# Altium PCB 测试样板PCB.PcbDoc (part 4 of 5)
Units mil, origin at the board's own origin, x right, y up, seen from the top; angles counter-clockwise.
Board outline 3248.03 x 2802.03 mil, 2 copper layers (Top Layer, Bottom Layer); 76 components, 64 nets, 349 pads, 97 vias.
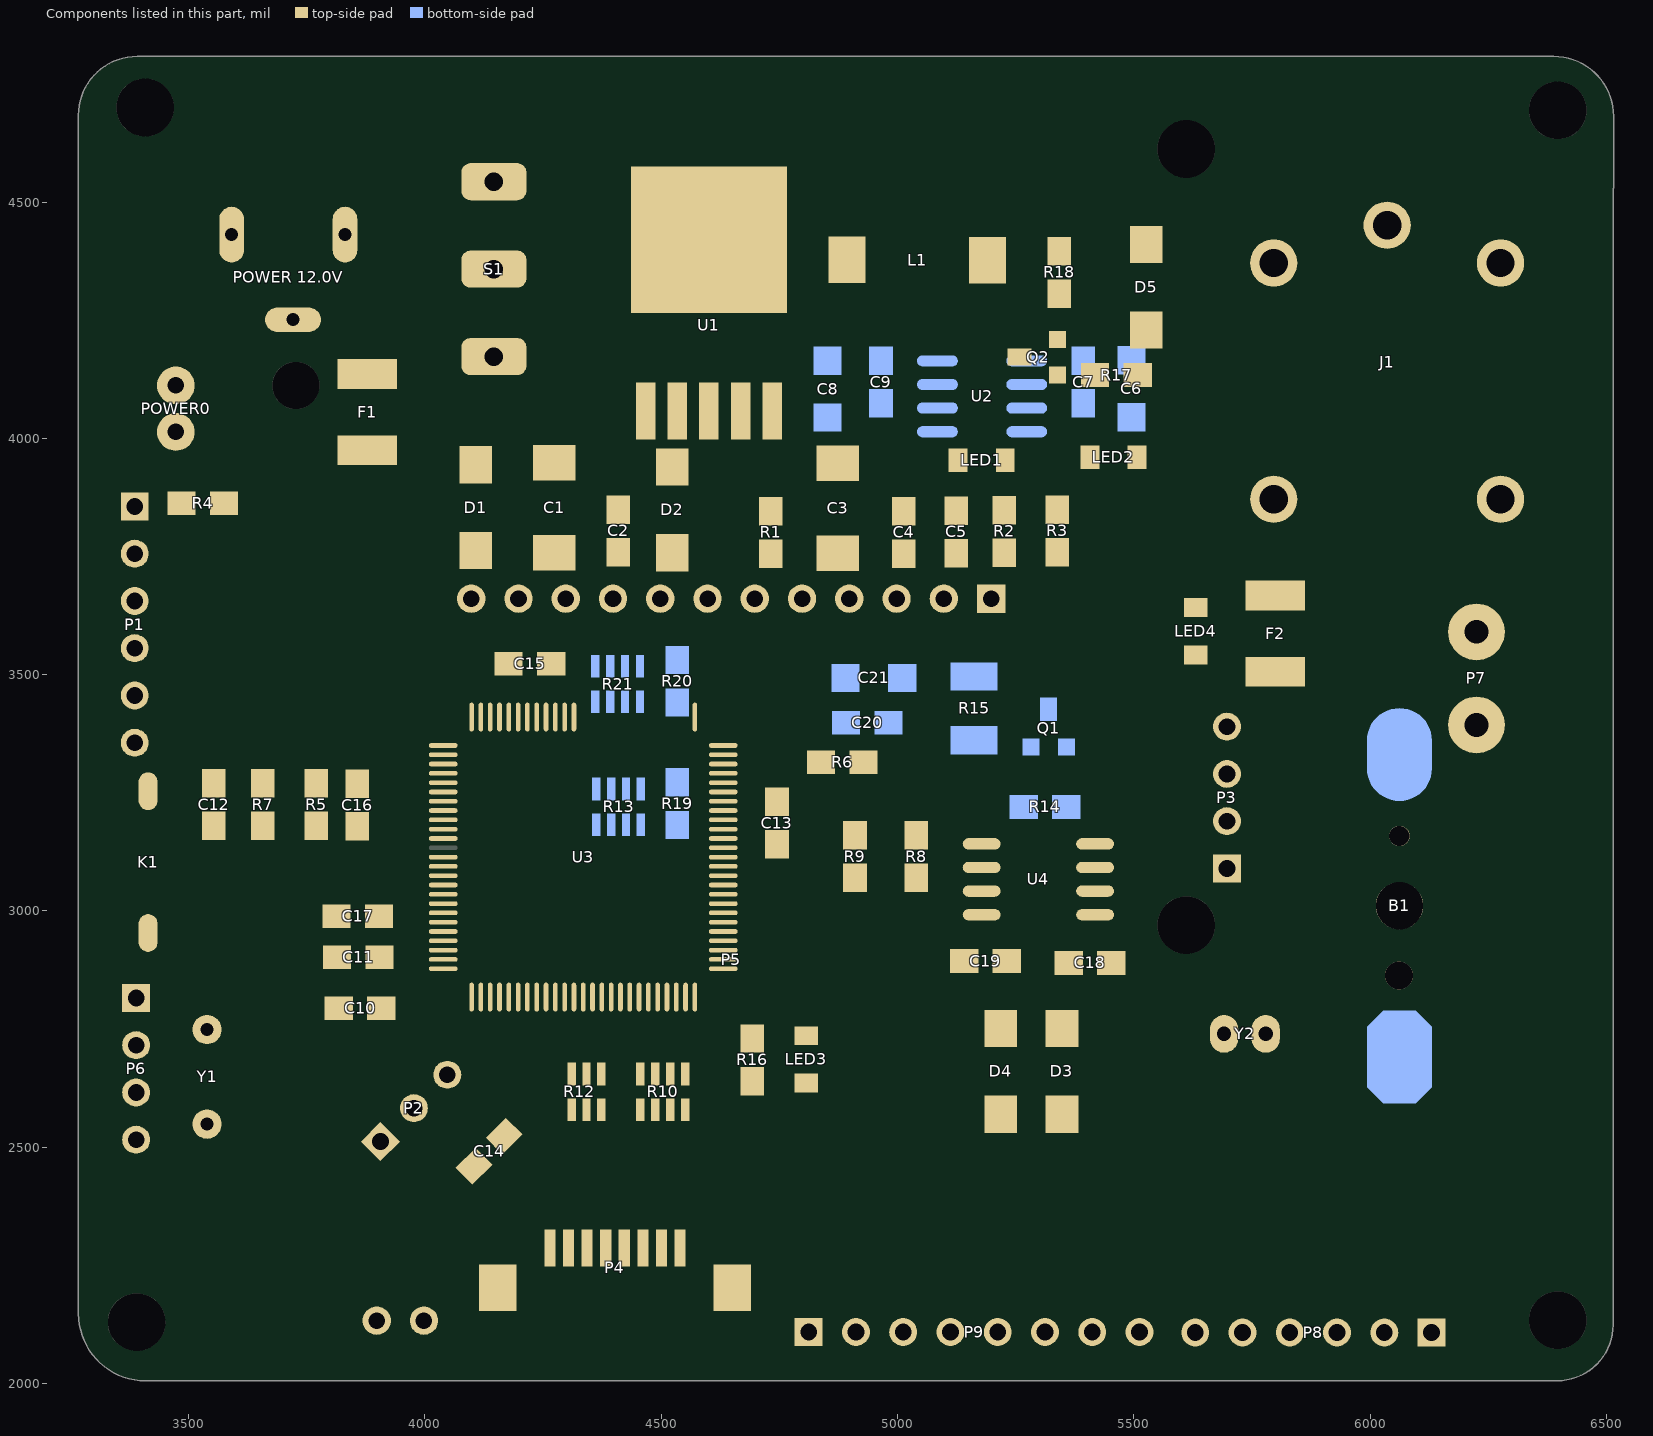
[diagram p4: the components of this part, seen from the top]

## Via types
v1: diameter 25, hole 13, Top Layer to Bottom Layer, 50 vias
v2: diameter 50, hole 28, Top Layer to Bottom Layer, 46 vias
v3: diameter 25, hole 3, Top Layer to Bottom Layer, 1 vias

## Nets (pads, with @x,y where several pads share a name; then routed paths per layer and width w, separated by ;. In a path a pad name is that pad's centre, name@x,y a point inside that pad or via, vN(x,y) a via of type N, cw(c..) or ccw(c..) an arc to the next point about the centre after c; other vN are vias at no path point) (continued)
copper on no net: (continued)
  Top Layer w0.8: 6159.4,2706.6 6199.4,2706.6 ; 6160.2,2381.8 6186.6,2381.8 ; 6160.2,2382.6 6164.2,2382.6 ; 6160.2,2417 6164.2,2417 ; 6160.2,2417.8 6165,2417.8 ; 6160.2,2655.4 6164.2,2655.4 ; 6160.2,2656.2 6164.2,2656.2 ; 6160.2,2689 6164.2,2689 ; 6161,2383.4 6164.2,2383.4 ; 6161,2384.2 6165,2384.2 ; 6161,2418.6 6165.8,2418.6 ; 6161,2419.4 6165.8,2419.4 ; 6161,2653.8 6165,2653.8 ; 6161,2654.6 6165,2654.6 ; 6161,2687.4 6188.2,2687.4 ; 6161,2688.2 6187.4,2688.2 ; 6161.8,2385 6165.8,2385 ; 6161.8,2653 6165.8,2653 ; 6161.8,2686.6 6189,2686.6 ; 6162.6,2385.8 6165.8,2385.8 ; 6162.6,2386.6 6166.6,2386.6 ; 6162.6,2651.4 6166.6,2651.4 ; 6162.6,2652.2 6165.8,2652.2 ; 6162.6,2685 6189.8,2685 ; 6162.6,2685.8 6189,2685.8 ; 6163.4,2387.4 6167.4,2387.4 ; 6163.4,2388.2 6167.4,2388.2 ; 6163.4,2649.8 6167.4,2649.8 ; 6163.4,2650.6 6167.4,2650.6 ; 6163.4,2683.4 6167.4,2683.4 ; 6163.4,2684.2 6167.4,2684.2 ; 6164.2,2389 6168.2,2389 ; 6164.2,2424.2 6169,2424.2 ; 6164.2,2649 6168.2,2649 ; 6164.2,2682.6 6168.2,2682.6 ; 6165,2389.8 6168.2,2389.8 ; 6165,2390.6 6169,2390.6 ; 6165,2425 6169.8,2425 ; 6165,2425.8 6169.8,2425.8 ; 6165,2647.4 6169,2647.4 ; 6165,2648.2 6169,2648.2 ; 6165,2681 6169,2681 ; 6165,2681.8 6168.2,2681.8 ; 6165.8,2391.4 6169.8,2391.4 ; 6165.8,2426.6 6170.6,2426.6 ; 6165.8,2427.4 6170.6,2427.4 ; 6165.8,2646.6 6169.8,2646.6 ; 6165.8,2679.4 6169.8,2679.4 ; 6165.8,2680.2 6169.8,2680.2 ; 6166.6,2392.2 6169.8,2392.2 ; 6166.6,2393 6170.6,2393 ; 6166.6,2428.2 6171.4,2428.2 ; 6166.6,2645 6170.6,2645 ; 6166.6,2645.8 6169.8,2645.8 ; 6166.6,2678.6 6170.6,2678.6 ; 6167.4,2393.8 6170.6,2393.8 ; 6167.4,2394.6 6171.4,2394.6 ; 6167.4,2429 6172.2,2429 ; 6167.4,2429.8 6172.2,2429.8 ; 6167.4,2644.2 6171.4,2644.2 ; 6167.4,2677 6171.4,2677 ; 6167.4,2677.8 6171.4,2677.8 ; 6168.2,2395.4 6172.2,2395.4 ; 6168.2,2430.6 6173,2430.6 ; 6168.2,2642.6 6172.2,2642.6 ; 6168.2,2643.4 6171.4,2643.4 ; 6168.2,2676.2 6172.2,2676.2 ; 6169,2396.2 6172.2,2396.2 ; 6169,2397 6173,2397 ; 6169,2431.4 6173,2431.4 ; 6169,2432.2 6173.8,2432.2 ; 6169,2641 6173,2641 ; 6169,2641.8 6173,2641.8 ; 6169,2674.6 6173,2674.6 ; 6169,2675.4 6172.2,2675.4 ; 6169.8,2397.8 6173,2397.8 ; 6169.8,2433 6174.6,2433 ; 6169.8,2433.8 6174.6,2433.8 ; 6169.8,2639.4 6173.8,2639.4 ; 6169.8,2640.2 6173.8,2640.2 ; 6169.8,2673 6174.6,2673 ; 6169.8,2673.8 6173.8,2673.8 ; 6170.6,2398.6 6173.8,2398.6 ; 6170.6,2399.4 6174.6,2399.4 ; 6170.6,2434.6 6175.4,2434.6 ; 6170.6,2638.6 6174.6,2638.6 ; 6170.6,2672.2 6174.6,2672.2 ; 6171.4,2400.2 6174.6,2400.2 ; 6171.4,2401 6175.4,2401 ; 6171.4,2435.4 6175.4,2435.4 ; 6171.4,2436.2 6176.2,2436.2 ; 6171.4,2637 6175.4,2637 ; 6171.4,2637.8 6175.4,2637.8 ; 6171.4,2670.6 6175.4,2670.6 ; 6171.4,2671.4 6175.4,2671.4 ; 6172.2,2401.8 6176.2,2401.8 ; 6172.2,2402.6 6176.2,2402.6 ; 6172.2,2403.4 6177,2403.4 ; 6172.2,2437 6177,2437 ; 6172.2,2437.8 6177,2437.8 ; 6172.2,2636.2 6176.2,2636.2 ; 6172.2,2669 6176.2,2669 ; 6172.2,2669.8 6176.2,2669.8 ; 6173,2404.2 6177.8,2404.2 ; 6173,2405 6177.8,2405 ; 6173,2438.6 6177.8,2438.6 ; 6173,2634.6 6177,2634.6 ; 6173,2635.4 6176.2,2635.4 ; 6173,2668.2 6177,2668.2 ; 6173.8,2405.8 6178.6,2405.8 ; 6173.8,2439.4 6177.8,2439.4 ; 6173.8,2440.2 6178.6,2440.2 ; 6173.8,2633 6177.8,2633 ; 6173.8,2633.8 6177.8,2633.8 ; 6173.8,2666.6 6177.8,2666.6 ; 6173.8,2667.4 6177.8,2667.4 ; 6174.6,2406.6 6178.6,2406.6 ; 6174.6,2407.4 6179.4,2407.4 ; 6174.6,2441 6179.4,2441 ; 6174.6,2441.8 6179.4,2441.8 ; 6174.6,2632.2 6178.6,2632.2 ; 6174.6,2665 6178.6,2665 ; 6174.6,2665.8 6178.6,2665.8 ; 6175.4,2408.2 6180.2,2408.2 ; 6175.4,2409 6180.2,2409 ; 6175.4,2442.6 6180.2,2442.6 ; 6175.4,2630.6 6179.4,2630.6 ; 6175.4,2631.4 6178.6,2631.4 ; 6175.4,2664.2 6179.4,2664.2 ; 6176.2,2409.8 6181,2409.8 ; 6176.2,2443.4 6181,2443.4 ; 6176.2,2444.2 6181,2444.2 ; 6176.2,2629 6180.2,2629 ; 6176.2,2629.8 6180.2,2629.8 ; 6176.2,2662.6 6180.2,2662.6 ; 6176.2,2663.4 6180.2,2663.4 ; 6177,2410.6 6181,2410.6 ; 6177,2411.4 6181.8,2411.4 ; 6177,2445 6181.8,2445 ; 6177,2445.8 6181.8,2445.8 ; 6177,2628.2 6181,2628.2 ; 6177,2661.8 6181,2661.8 ; 6177.8,2412.2 6182.6,2412.2 ; 6177.8,2413 6182.6,2413 ; 6177.8,2446.6 6182.6,2446.6 ; 6177.8,2626.6 6181.8,2626.6 ; 6177.8,2627.4 6181.8,2627.4 ; 6177.8,2660.2 6181.8,2660.2 ; 6177.8,2661 6181.8,2661 ; 6178.6,2413.8 6183.4,2413.8 ; 6178.6,2447.4 6183.4,2447.4 ; 6178.6,2448.2 6183.4,2448.2 ; 6178.6,2625.8 6182.6,2625.8 ; 6178.6,2658.6 6183.4,2658.6 ; 6178.6,2659.4 6182.6,2659.4 ; 6179.4,2414.6 6183.4,2414.6 ; 6179.4,2415.4 6184.2,2415.4 ; 6179.4,2449 6184.2,2449 ; 6179.4,2624.2 6183.4,2624.2 ; 6179.4,2625 6182.6,2625 ; 6179.4,2657.8 6183.4,2657.8 ; 6180.2,2416.2 6185,2416.2 ; 6180.2,2417 6185,2417 ; 6180.2,2449.8 6184.2,2449.8 ; 6180.2,2450.6 6185,2450.6 ; 6180.2,2622.6 6184.2,2622.6 ; 6180.2,2623.4 6184.2,2623.4 ; 6180.2,2656.2 6184.2,2656.2 ; 6180.2,2657 6184.2,2657 ; 6181,2417.8 6185.8,2417.8 ; 6181,2451.4 6185.8,2451.4 ; 6181,2452.2 6185.8,2452.2 ; 6181,2621.8 6185,2621.8 ; 6181,2655.4 6185,2655.4 ; 6181.8,2418.6 6185.8,2418.6 ; 6181.8,2419.4 6186.6,2419.4 ; 6181.8,2453 6186.6,2453 ; 6181.8,2620.2 6185.8,2620.2 ; 6181.8,2621 6185,2621 ; 6181.8,2653.8 6185.8,2653.8 ; 6181.8,2654.6 6185,2654.6 ; 6182.6,2379.4 6185,2379.4 ; 6182.6,2382.6 6187.4,2382.6 ; 6182.6,2383.4 6187.4,2383.4 ; 6182.6,2420.2 6187.4,2420.2 ; 6182.6,2421 6187.4,2421 ; 6182.6,2453.8 6186.6,2453.8 ; 6182.6,2454.6 6187.4,2454.6 ; 6182.6,2619.4 6186.6,2619.4 ; 6182.6,2652.2 6186.6,2652.2 ; 6182.6,2653 6185.8,2653 ; 6183.4,2384.2 6188.2,2384.2 ; 6183.4,2421.8 6188.2,2421.8 ; 6183.4,2455.4 6188.2,2455.4 ; 6183.4,2456.2 6188.2,2456.2 ; 6183.4,2617.8 6187.4,2617.8 ; 6183.4,2618.6 6186.6,2618.6 ; 6183.4,2651.4 6187.4,2651.4 ; 6184.2,2385 6188.2,2385 ; 6184.2,2385.8 6189,2385.8 ; 6184.2,2422.6 6188.2,2422.6 ; 6184.2,2423.4 6189,2423.4 ; 6184.2,2457 6189,2457 ; 6184.2,2616.2 6188.2,2616.2 ; 6184.2,2617 6188.2,2617 ; 6184.2,2649.8 6188.2,2649.8 ; 6184.2,2650.6 6187.4,2650.6 ; 6184.2,2684.2 6190.6,2684.2 ; 6185,2386.6 6189.8,2386.6 ; 6185,2387.4 6189.8,2387.4 ; 6185,2424.2 6189.8,2424.2 ; 6185,2425 6189.8,2425 ; 6185,2457.8 6189,2457.8 ; 6185,2458.6 6189.8,2458.6 ; 6185,2615.4 6189,2615.4 ; 6185,2649 6189,2649 ; 6185,2683.4 6190.6,2683.4 ; 6185.8,2388.2 6190.6,2388.2 ; 6185.8,2389 6190.6,2389 ; 6185.8,2425.8 6190.6,2425.8 ; 6185.8,2459.4 6190.6,2459.4 ; 6185.8,2460.2 6190.6,2460.2 ; 6185.8,2613.8 6189.8,2613.8 ; 6185.8,2614.6 6189,2614.6 ; 6185.8,2647.4 6189.8,2647.4 ; 6185.8,2648.2 6189,2648.2 ; 6185.8,2681.8 6191.4,2681.8 ; 6185.8,2682.6 6191.4,2682.6 ; 6186.6,2389.8 6191.4,2389.8 ; 6186.6,2426.6 6190.6,2426.6 ; 6186.6,2427.4 6191.4,2427.4 ; 6186.6,2461 6191.4,2461 ; 6186.6,2613 6190.6,2613 ; 6186.6,2645.8 6190.6,2645.8 ; 6186.6,2646.6 6190.6,2646.6 ; 6186.6,2680.2 6187.4,2680.2 ; 6186.6,2681 6192.2,2681 ; 6187.4,2390.6 6191.4,2390.6 ; 6187.4,2391.4 6192.2,2391.4 ; 6187.4,2428.2 6192.2,2428.2 ; 6187.4,2429 6192.2,2429 ; 6187.4,2461.8 6192.2,2461.8 ; 6187.4,2462.6 6192.2,2462.6 ; 6187.4,2611.4 6191.4,2611.4 ; 6187.4,2612.2 6190.6,2612.2 ; 6187.4,2645 6191.4,2645 ; 6187.4,2679.4 6193,2679.4 ; 6188.2,2392.2 6193,2392.2 ; 6188.2,2393 6193,2393 ; 6188.2,2429.8 6193,2429.8 ; 6188.2,2463.4 6193,2463.4 ; 6188.2,2464.2 6193,2464.2 ; 6188.2,2609.8 6192.2,2609.8 ; 6188.2,2610.6 6191.4,2610.6 ; 6188.2,2643.4 6192.2,2643.4 ; 6188.2,2644.2 6191.4,2644.2 ; 6188.2,2677.8 6193.8,2677.8 ; 6188.2,2678.6 6193.8,2678.6 ; 6188.2,2680.2 6192.2,2680.2 ; 6189,2393.8 6193.8,2393.8 ; 6189,2394.6 6193.8,2394.6 ; 6189,2430.6 6193,2430.6 ; 6189,2431.4 6193.8,2431.4 ; 6189,2465 6193.8,2465 ; 6189,2609 6193,2609 ; 6189,2641.8 6193,2641.8 ; 6189,2642.6 6193,2642.6 ; 6189,2676.2 6194.6,2676.2 ; 6189,2677 6194.6,2677 ; 6189.8,2395.4 6194.6,2395.4 ; 6189.8,2432.2 6194.6,2432.2 ; 6189.8,2433 6194.6,2433 ; 6189.8,2465.8 6194.6,2465.8 ; 6189.8,2466.6 6194.6,2466.6 ; 6189.8,2607.4 6193.8,2607.4 ; 6189.8,2608.2 6193,2608.2 ; 6189.8,2641 6193.8,2641 ; 6189.8,2674.6 6195.4,2674.6 ; 6189.8,2675.4 6195.4,2675.4 ; 6190.6,2396.2 6195.4,2396.2 ; 6190.6,2397 6195.4,2397 ; 6190.6,2433.8 6195.4,2433.8 ; 6190.6,2467.4 6195.4,2467.4 ; 6190.6,2605.8 6194.6,2605.8 ; 6190.6,2606.6 6194.6,2606.6 ; 6190.6,2639.4 6194.6,2639.4 ; 6190.6,2640.2 6193.8,2640.2 ; 6190.6,2673 6197,2673 ; 6190.6,2673.8 6196.2,2673.8 ; 6191.4,2397.8 6196.2,2397.8 ; 6191.4,2398.6 6196.2,2398.6 ; 6191.4,2434.6 6195.4,2434.6 ; 6191.4,2435.4 6196.2,2435.4 ; 6191.4,2468.2 6195.4,2468.2 ; 6191.4,2469 6196.2,2469 ; 6191.4,2605 6195.4,2605 ; 6191.4,2638.6 6195.4,2638.6 ; 6191.4,2671.4 6192.2,2671.4 ; 6191.4,2672.2 6197,2672.2 ; 6192.2,2399.4 6197,2399.4 ; 6192.2,2400.2 6197.8,2400.2 ; 6192.2,2436.2 6197,2436.2 ; 6192.2,2437 6197,2437 ; 6192.2,2469.8 6197,2469.8 ; 6192.2,2470.6 6197,2470.6 ; 6192.2,2603.4 6196.2,2603.4 ; 6192.2,2604.2 6195.4,2604.2 ; 6192.2,2637 6196.2,2637 ; 6192.2,2637.8 6195.4,2637.8 ; 6192.2,2670.6 6197.8,2670.6 ; 6193,2401 6197.8,2401 ; 6193,2437.8 6197.8,2437.8 ; 6193,2471.4 6197.8,2471.4 ; 6193,2601.8 6197,2601.8 ; 6193,2602.6 6197,2602.6 ; 6193,2635.4 6197,2635.4 ; 6193,2636.2 6197,2636.2 ; 6193,2669 6198.6,2669 ; 6193,2669.8 6198.6,2669.8 ; 6193,2671.4 6197.8,2671.4 ; 6193.8,2358.6 6196.2,2358.6 ; 6193.8,2361.8 6198.6,2361.8 ; 6193.8,2362.6 6198.6,2362.6 ; 6193.8,2401.8 6198.6,2401.8 ; 6193.8,2402.6 6198.6,2402.6 ; 6193.8,2438.6 6197.8,2438.6 ; 6193.8,2439.4 6198.6,2439.4 ; 6193.8,2472.2 6197.8,2472.2 ; 6193.8,2473 6198.6,2473 ; 6193.8,2601 6197.8,2601 ; 6193.8,2634.6 6197.8,2634.6 ; 6193.8,2668.2 6199.4,2668.2 ; 6194.6,2363.4 6199.4,2363.4 ; 6194.6,2403.4 6199.4,2403.4 ; 6194.6,2404.2 6199.4,2404.2 ; 6194.6,2440.2 6199.4,2440.2 ; 6194.6,2441 6199.4,2441 ; 6194.6,2473.8 6199.4,2473.8 ; 6194.6,2474.6 6199.4,2474.6 ; 6194.6,2599.4 6198.6,2599.4 ; 6194.6,2600.2 6198.6,2600.2 ; 6194.6,2633 6198.6,2633 ; 6194.6,2633.8 6197.8,2633.8 ; 6194.6,2666.6 6200.2,2666.6 ; 6194.6,2667.4 6200.2,2667.4 ; 6195.4,2364.2 6200.2,2364.2 ; 6195.4,2365 6200.2,2365 ; 6195.4,2405 6200.2,2405 ; 6195.4,2441.8 6200.2,2441.8 ; 6195.4,2475.4 6200.2,2475.4 ; 6195.4,2597.8 6199.4,2597.8 ; 6195.4,2598.6 6199.4,2598.6 ; 6195.4,2631.4 6199.4,2631.4 ; 6195.4,2632.2 6199.4,2632.2 ; 6195.4,2665 6201,2665 ; 6195.4,2665.8 6201,2665.8 ; 6195.4,2705 6200.2,2705 ; 6195.4,2707.4 6198.6,2707.4 ; 6196.2,2365.8 6201,2365.8 ; 6196.2,2366.6 6201,2366.6 ; 6196.2,2405.8 6200.2,2405.8 ; 6196.2,2406.6 6201,2406.6 ; 6196.2,2442.6 6200.2,2442.6 ; 6196.2,2443.4 6201,2443.4 ; 6196.2,2476.2 6200.2,2476.2 ; 6196.2,2477 6201,2477 ; 6196.2,2597 6200.2,2597 ; 6196.2,2630.6 6200.2,2630.6 ; 6196.2,2663.4 6197,2663.4 ; 6196.2,2664.2 6201.8,2664.2 ; 6196.2,2703.4 6201,2703.4 ; 6196.2,2704.2 6201,2704.2 ; 6197,2367.4 6201.8,2367.4 ; 6197,2407.4 6201.8,2407.4 ; 6197,2408.2 6201.8,2408.2 ; 6197,2444.2 6201.8,2444.2 ; 6197,2445 6201.8,2445 ; 6197,2477.8 6201.8,2477.8 ; 6197,2478.6 6201.8,2478.6 ; 6197,2595.4 6201,2595.4 ; 6197,2596.2 6201,2596.2 ; 6197,2629 6201,2629 ; 6197,2629.8 6201,2629.8 ; 6197,2662.6 6202.6,2662.6 ; 6197,2702.6 6201.8,2702.6 ; 6197.8,2368.2 6202.6,2368.2 ; 6197.8,2369 6202.6,2369 ; 6197.8,2409 6202.6,2409 ; 6197.8,2409.8 6202.6,2409.8 ; 6197.8,2445.8 6202.6,2445.8 ; 6197.8,2479.4 6202.6,2479.4 ; 6197.8,2594.6 6201.8,2594.6 ; 6197.8,2628.2 6201.8,2628.2 ; 6197.8,2660.2 6204.2,2660.2 ; 6197.8,2661.8 6203.4,2661.8 ; 6197.8,2663.4 6201.8,2663.4 ; 6197.8,2701 6202.6,2701 ; 6197.8,2701.8 6201.8,2701.8 ; 6198.6,2369.8 6203.4,2369.8 ; 6198.6,2410.6 6203.4,2410.6 ; 6198.6,2446.6 6202.6,2446.6 ; 6198.6,2447.4 6203.4,2447.4 ; 6198.6,2480.2 6203.4,2480.2 ; 6198.6,2481 6203.4,2481 ; 6198.6,2593 6202.6,2593 ; 6198.6,2593.8 6201.8,2593.8 ; 6198.6,2626.6 6202.6,2626.6 ; 6198.6,2627.4 6201.8,2627.4 ; 6198.6,2658.6 6199.4,2658.6 ; 6198.6,2659.4 6204.2,2659.4 ; 6198.6,2661 6203.4,2661 ; 6198.6,2699.4 6203.4,2699.4 ; 6198.6,2700.2 6202.6,2700.2 ; 6199.4,2370.6 6203.4,2370.6 ; 6199.4,2371.4 6204.2,2371.4 ; 6199.4,2411.4 6203.4,2411.4 ; 6199.4,2412.2 6204.2,2412.2 ; 6199.4,2448.2 6204.2,2448.2 ; 6199.4,2449 6204.2,2449 ; 6199.4,2481.8 6204.2,2481.8 ; 6199.4,2482.6 6204.2,2482.6 ; 6199.4,2591.4 6203.4,2591.4 ; 6199.4,2592.2 6203.4,2592.2 ; 6199.4,2625 6203.4,2625 ; 6199.4,2625.8 6203.4,2625.8 ; 6199.4,2657.8 6205,2657.8 ; 6199.4,2697.8 6204.2,2697.8 ; 6199.4,2698.6 6204.2,2698.6 ; 6200.2,2372.2 6205,2372.2 ; 6200.2,2373 6205,2373 ; 6200.2,2413 6205,2413 ; 6200.2,2413.8 6205,2413.8 ; 6200.2,2449.8 6205,2449.8 ; 6200.2,2483.4 6205,2483.4 ; 6200.2,2590.6 6204.2,2590.6 ; 6200.2,2624.2 6204.2,2624.2 ; 6200.2,2657 6205.8,2657 ; 6200.2,2658.6 6205,2658.6 ; 6200.2,2697 6205,2697 ; 6201,2373.8 6205.8,2373.8 ; 6201,2414.6 6205.8,2414.6 ; 6201,2415.4 6205.8,2415.4 ; 6201,2450.6 6205,2450.6 ; 6201,2451.4 6205.8,2451.4 ; 6201,2484.2 6205.8,2484.2 ; 6201,2485 6205.8,2485 ; 6201,2589 6205,2589 ; 6201,2589.8 6204.2,2589.8 ; 6201,2622.6 6205,2622.6 ; 6201,2623.4 6204.2,2623.4 ; 6201,2655.4 6206.6,2655.4 ; 6201,2656.2 6206.6,2656.2 ; 6201,2695.4 6205.8,2695.4 ; 6201,2696.2 6205,2696.2 ; 6201.8,2374.6 6205.8,2374.6 ; 6201.8,2375.4 6206.6,2375.4 ; 6201.8,2416.2 6206.6,2416.2 ; 6201.8,2452.2 6206.6,2452.2 ; 6201.8,2453 6206.6,2453 ; 6201.8,2485.8 6206.6,2485.8 ; 6201.8,2486.6 6206.6,2486.6 ; 6201.8,2588.2 6205.8,2588.2 ; 6201.8,2621 6205.8,2621 ; 6201.8,2621.8 6205.8,2621.8 ; 6201.8,2653.8 6207.4,2653.8 ; 6201.8,2654.6 6207.4,2654.6 ; 6201.8,2693.8 6206.6,2693.8 ; 6201.8,2694.6 6205.8,2694.6 ; 6202.6,2376.2 6207.4,2376.2 ; 6202.6,2377 6207.4,2377 ; 6202.6,2417 6206.6,2417 ; 6202.6,2417.8 6207.4,2417.8 ; 6202.6,2453.8 6207.4,2453.8 ; 6202.6,2487.4 6207.4,2487.4 ; 6202.6,2586.6 6206.6,2586.6 ; 6202.6,2587.4 6205.8,2587.4 ; 6202.6,2620.2 6206.6,2620.2 ; 6202.6,2652.2 6208.2,2652.2 ; 6202.6,2653 6208.2,2653 ; 6202.6,2692.2 6207.4,2692.2 ; 6202.6,2693 6207.4,2693 ; 6203.4,2377.8 6208.2,2377.8 ; 6203.4,2418.6 6208.2,2418.6 ; 6203.4,2419.4 6208.2,2419.4 ; 6203.4,2454.6 6207.4,2454.6 ; 6203.4,2455.4 6208.2,2455.4 ; 6203.4,2488.2 6208.2,2488.2 ; 6203.4,2489 6208.2,2489 ; 6203.4,2585 6207.4,2585 ; 6203.4,2585.8 6206.6,2585.8 ; 6203.4,2618.6 6207.4,2618.6 ; 6203.4,2619.4 6207.4,2619.4 ; 6203.4,2651.4 6209,2651.4 ; 6203.4,2691.4 6208.2,2691.4 ; 6204.2,2378.6 6208.2,2378.6 ; 6204.2,2379.4 6209,2379.4 ; 6204.2,2420.2 6209,2420.2 ; 6204.2,2421 6209,2421 ; 6204.2,2456.2 6209,2456.2 ; 6204.2,2457 6209,2457 ; 6204.2,2489.8 6209,2489.8 ; 6204.2,2584.2 6208.2,2584.2 ; 6204.2,2617 6208.2,2617 ; 6204.2,2617.8 6208.2,2617.8 ; 6204.2,2649.8 6209.8,2649.8 ; 6204.2,2650.6 6209.8,2650.6 ; 6204.2,2689.8 6209,2689.8 ; 6204.2,2690.6 6208.2,2690.6 ; 6205,2380.2 6209.8,2380.2 ; 6205,2381 6209.8,2381 ; 6205,2421.8 6209.8,2421.8 ; 6205,2457.8 6209.8,2457.8 ; 6205,2490.6 6209,2490.6 ; 6205,2491.4 6209.8,2491.4 ; 6205,2582.6 6209,2582.6 ; 6205,2583.4 6208.2,2583.4 ; 6205,2616.2 6209,2616.2 ; 6205,2648.2 6210.6,2648.2 ; 6205,2649 6210.6,2649 ; 6205,2688.2 6209.8,2688.2 ; 6205,2689 6209,2689 ; 6205.8,2381.8 6210.6,2381.8 ; 6205.8,2422.6 6209.8,2422.6 ; 6205.8,2423.4 6210.6,2423.4 ; 6205.8,2458.6 6209.8,2458.6 ; 6205.8,2459.4 6210.6,2459.4 ; 6205.8,2492.2 6210.6,2492.2 ; 6205.8,2493 6210.6,2493 ; 6205.8,2581 6209.8,2581 ; 6205.8,2581.8 6209.8,2581.8 ; 6205.8,2614.6 6209.8,2614.6 ; 6205.8,2615.4 6209,2615.4 ; 6205.8,2647.4 6211.4,2647.4 ; 6205.8,2686.6 6210.6,2686.6 ; 6205.8,2687.4 6210.6,2687.4 ; 6206.6,2382.6 6210.6,2382.6 ; 6206.6,2383.4 6211.4,2383.4 ; 6206.6,2424.2 6211.4,2424.2 ; 6206.6,2425 6211.4,2425 ; 6206.6,2460.2 6211.4,2460.2 ; 6206.6,2461 6211.4,2461 ; 6206.6,2493.8 6211.4,2493.8 ; 6206.6,2580.2 6210.6,2580.2 ; 6206.6,2613.8 6210.6,2613.8 ; 6206.6,2645.8 6212.2,2645.8 ; 6206.6,2646.6 6211.4,2646.6 ; 6206.6,2685.8 6211.4,2685.8 ; 6207.4,2384.2 6212.2,2384.2 ; 6207.4,2385 6212.2,2385 ; 6207.4,2425.8 6212.2,2425.8 ; 6207.4,2426.6 6212.2,2426.6 ; 6207.4,2461.8 6212.2,2461.8 ; 6207.4,2494.6 6211.4,2494.6 ; 6207.4,2495.4 6212.2,2495.4 ; 6207.4,2578.6 6211.4,2578.6 ; 6207.4,2579.4 6210.6,2579.4 ; 6207.4,2612.2 6211.4,2612.2 ; 6207.4,2613 6210.6,2613 ; 6207.4,2644.2 6213,2644.2 ; 6207.4,2645 6213,2645 ; 6207.4,2684.2 6212.2,2684.2 ; 6207.4,2685 6211.4,2685 ; 6208.2,2385.8 6213,2385.8 ; 6208.2,2427.4 6213,2427.4 ; 6208.2,2462.6 6212.2,2462.6 ; 6208.2,2463.4 6213,2463.4 ; 6208.2,2496.2 6213,2496.2 ; 6208.2,2497 6213,2497 ; 6208.2,2577 6212.2,2577 ; 6208.2,2577.8 6212.2,2577.8 ; 6208.2,2610.6 6212.2,2610.6 ; 6208.2,2611.4 6212.2,2611.4 ; 6208.2,2642.6 6213.8,2642.6 ; 6208.2,2643.4 6213.8,2643.4 ; 6208.2,2682.6 6213,2682.6 ; 6208.2,2683.4 6212.2,2683.4 ; 6209,2386.6 6213.8,2386.6 ; 6209,2387.4 6213.8,2387.4 ; 6209,2428.2 6213.8,2428.2 ; 6209,2429 6213.8,2429 ; 6209,2464.2 6213.8,2464.2 ; 6209,2465 6213.8,2465 ; 6209,2497.8 6213.8,2497.8 ; 6209,2576.2 6213,2576.2 ; 6209,2609.8 6213,2609.8 ; 6209,2641.8 6214.6,2641.8 ; 6209,2681 6213.8,2681 ; 6209,2681.8 6213.8,2681.8 ; 6209.8,2388.2 6214.6,2388.2 ; 6209.8,2389 6214.6,2389 ; 6209.8,2429.8 6214.6,2429.8 ; 6209.8,2430.6 6215.4,2430.6 ; 6209.8,2465.8 6214.6,2465.8 ; 6209.8,2498.6 6213.8,2498.6 ; 6209.8,2499.4 6214.6,2499.4 ; 6209.8,2574.6 6213.8,2574.6 ; 6209.8,2575.4 6213.8,2575.4 ; 6209.8,2608.2 6213.8,2608.2 ; 6209.8,2609 6213,2609 ; 6209.8,2640.2 6215.4,2640.2 ; 6209.8,2641 6214.6,2641 ; 6209.8,2680.2 6214.6,2680.2 ; 6210.6,2389.8 6215.4,2389.8 ; 6210.6,2431.4 6215.4,2431.4 ; 6210.6,2466.6 6214.6,2466.6 ; 6210.6,2467.4 6215.4,2467.4 ; 6210.6,2500.2 6215.4,2500.2 ; 6210.6,2501 6215.4,2501 ; 6210.6,2573.8 6214.6,2573.8 ; 6210.6,2606.6 6214.6,2606.6 ; 6210.6,2607.4 6214.6,2607.4 ; 6210.6,2638.6 6216.2,2638.6 ; 6210.6,2639.4 6216.2,2639.4 ; 6210.6,2678.6 6215.4,2678.6 ; 6210.6,2679.4 6214.6,2679.4 ; 6211.4,2390.6 6216.2,2390.6 ; 6211.4,2391.4 6216.2,2391.4 ; 6211.4,2432.2 6215.4,2432.2 ; 6211.4,2433 6216.2,2433 ; 6211.4,2468.2 6216.2,2468.2 ; 6211.4,2469 6216.2,2469 ; 6211.4,2501.8 6216.2,2501.8 ; 6211.4,2572.2 6215.4,2572.2 ; 6211.4,2573 6214.6,2573 ; 6211.4,2605.8 6215.4,2605.8 ; 6211.4,2637 6212.2,2637 ; 6211.4,2637.8 6217,2637.8 ; 6211.4,2677 6216.2,2677 ; 6211.4,2677.8 6215.4,2677.8 ; 6212.2,2392.2 6217,2392.2 ; 6212.2,2393 6217,2393 ; 6212.2,2433.8 6216.2,2433.8 ; 6212.2,2434.6 6217,2434.6 ; 6212.2,2469.8 6217,2469.8 ; 6212.2,2502.6 6217,2502.6 ; 6212.2,2503.4 6217,2503.4 ; 6212.2,2570.6 6216.2,2570.6 ; 6212.2,2571.4 6216.2,2571.4 ; 6212.2,2604.2 6216.2,2604.2 ; 6212.2,2605 6215.4,2605 ; 6212.2,2636.2 6217.8,2636.2 ; 6212.2,2675.4 6217,2675.4 ; 6212.2,2676.2 6217,2676.2 ; 6213,2393.8 6217.8,2393.8 ; 6213,2435.4 6217.8,2435.4 ; 6213,2436.2 6217.8,2436.2 ; 6213,2470.6 6217,2470.6 ; 6213,2471.4 6217.8,2471.4 ; 6213,2504.2 6217.8,2504.2 ; 6213,2505 6217.8,2505 ; 6213,2569.8 6217,2569.8 ; 6213,2603.4 6217,2603.4 ; 6213,2634.6 6218.6,2634.6 ; 6213,2635.4 6217.8,2635.4 ; 6213,2637 6217,2637 ; 6213,2674.6 6217.8,2674.6 ; 6213.8,2394.6 6218.6,2394.6 ; 6213.8,2395.4 6218.6,2395.4 ; 6213.8,2437 6218.6,2437 ; 6213.8,2472.2 6218.6,2472.2 ; 6213.8,2473 6218.6,2473 ; 6213.8,2505.8 6218.6,2505.8 ; 6213.8,2568.2 6217.8,2568.2 ; 6213.8,2569 6217,2569 ; 6213.8,2601.8 6217.8,2601.8 ; 6213.8,2602.6 6217,2602.6 ; 6213.8,2633 6219.4,2633 ; 6213.8,2633.8 6219.4,2633.8 ; 6213.8,2673 6342.6,2673 ; 6213.8,2673.8 6343.4,2673.8 ; 6214.6,2396.2 6219.4,2396.2 ; 6214.6,2437.8 6218.6,2437.8 ; 6214.6,2438.6 6219.4,2438.6 ; 6214.6,2473.8 6219.4,2473.8 ; 6214.6,2506.6 6219.4,2506.6 ; 6214.6,2507.4 6219.4,2507.4 ; 6214.6,2566.6 6218.6,2566.6 ; 6214.6,2567.4 6218.6,2567.4 ; 6214.6,2600.2 6218.6,2600.2 ; 6214.6,2601 6218.6,2601 ; 6214.6,2632.2 6220.2,2632.2 ; 6214.6,2671.4 6341.8,2671.4 ; 6214.6,2672.2 6341.8,2672.2 ; 6215.4,2397 6219.4,2397 ; 6215.4,2397.8 6220.2,2397.8 ; 6215.4,2439.4 6220.2,2439.4 ; 6215.4,2440.2 6220.2,2440.2 ; 6215.4,2474.6 6219.4,2474.6 ; 6215.4,2475.4 6220.2,2475.4 ; 6215.4,2508.2 6220.2,2508.2 ; 6215.4,2565.8 6219.4,2565.8 ; 6215.4,2599.4 6219.4,2599.4 ; 6215.4,2630.6 6221,2630.6 ; 6215.4,2631.4 6220.2,2631.4 ; 6215.4,2669.8 6220.2,2669.8 ; 6215.4,2670.6 6220.2,2670.6 ; 6216.2,2398.6 6221,2398.6 ; 6216.2,2399.4 6221,2399.4 ; 6216.2,2441 6221,2441 ; 6216.2,2441.8 6221,2441.8 ; 6216.2,2476.2 6221,2476.2 ; 6216.2,2477 6221,2477 ; 6216.2,2509 6220.2,2509 ; 